# Altium PCB Copy of PCB1.PcbDoc (part 1 of 2)
Units mm, origin at the board's own origin, x right, y up, seen from the top; angles counter-clockwise.
Board outline 92 x 94 mm, 2 copper layers (Top Layer, Bottom Layer); 282 components, 201 nets, 653 pads, 133 vias.
Unrouted connection lines stored in the file: 8.
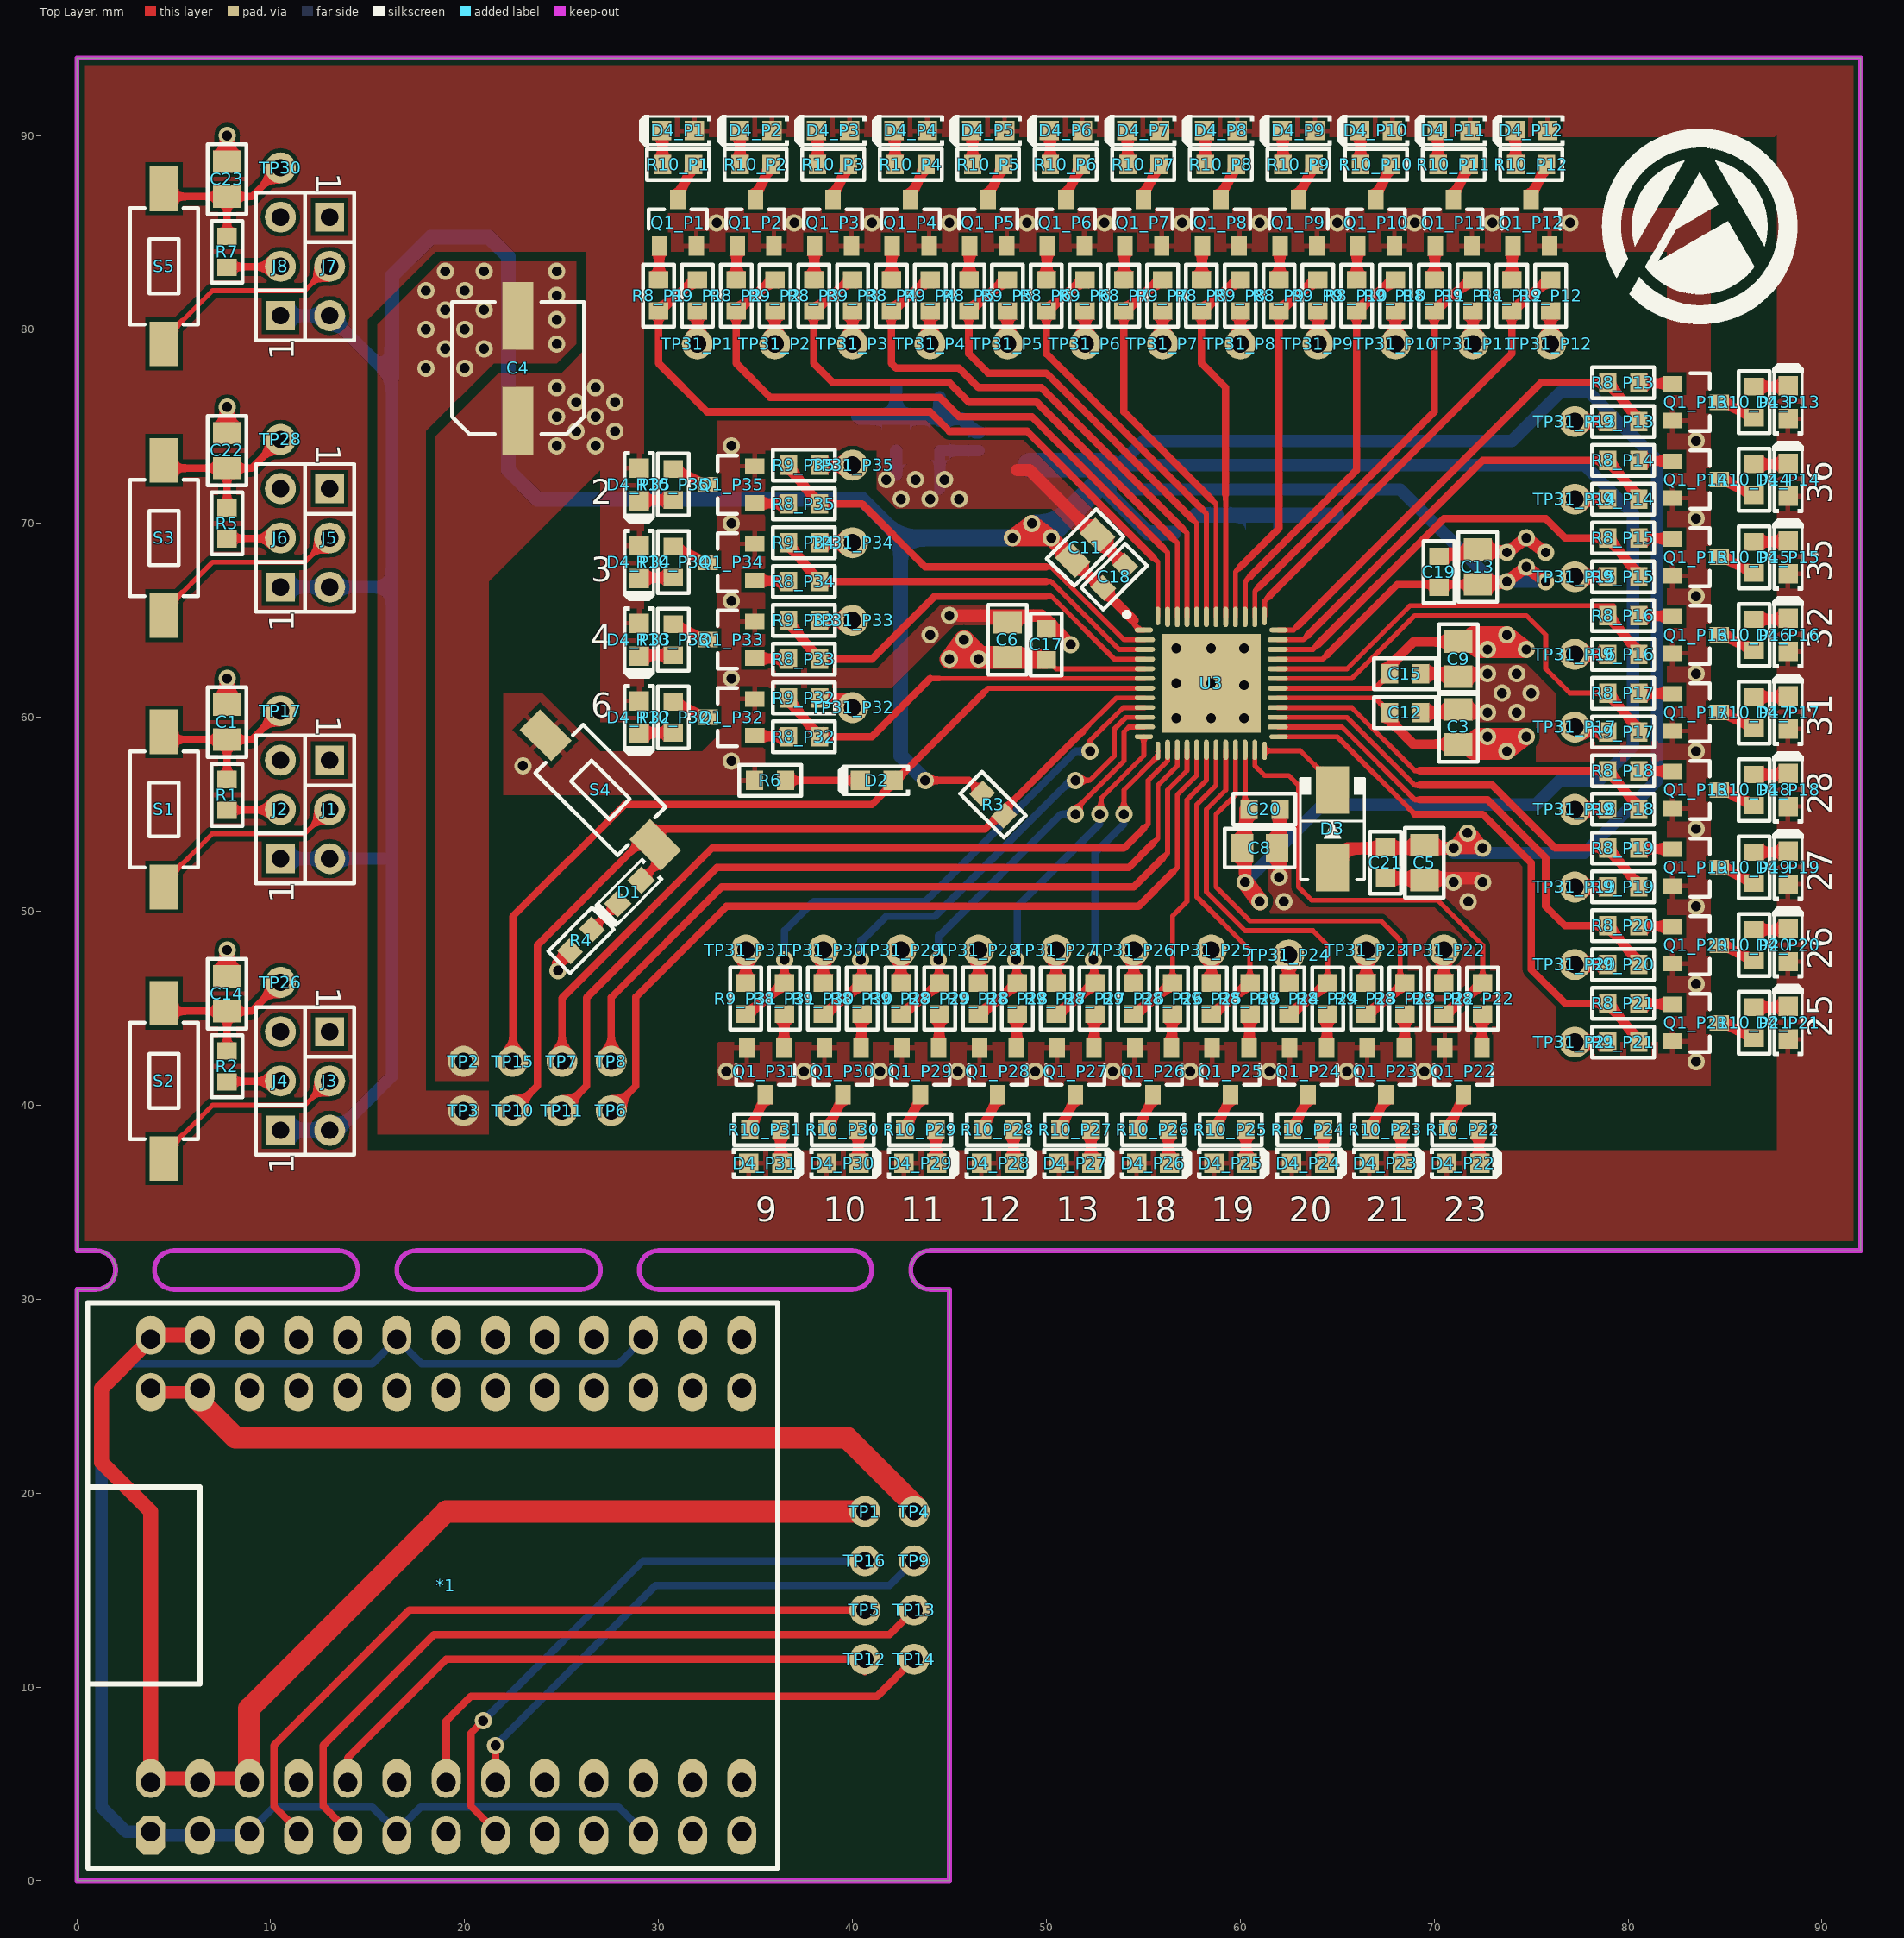
[diagram p0: Top Layer view]
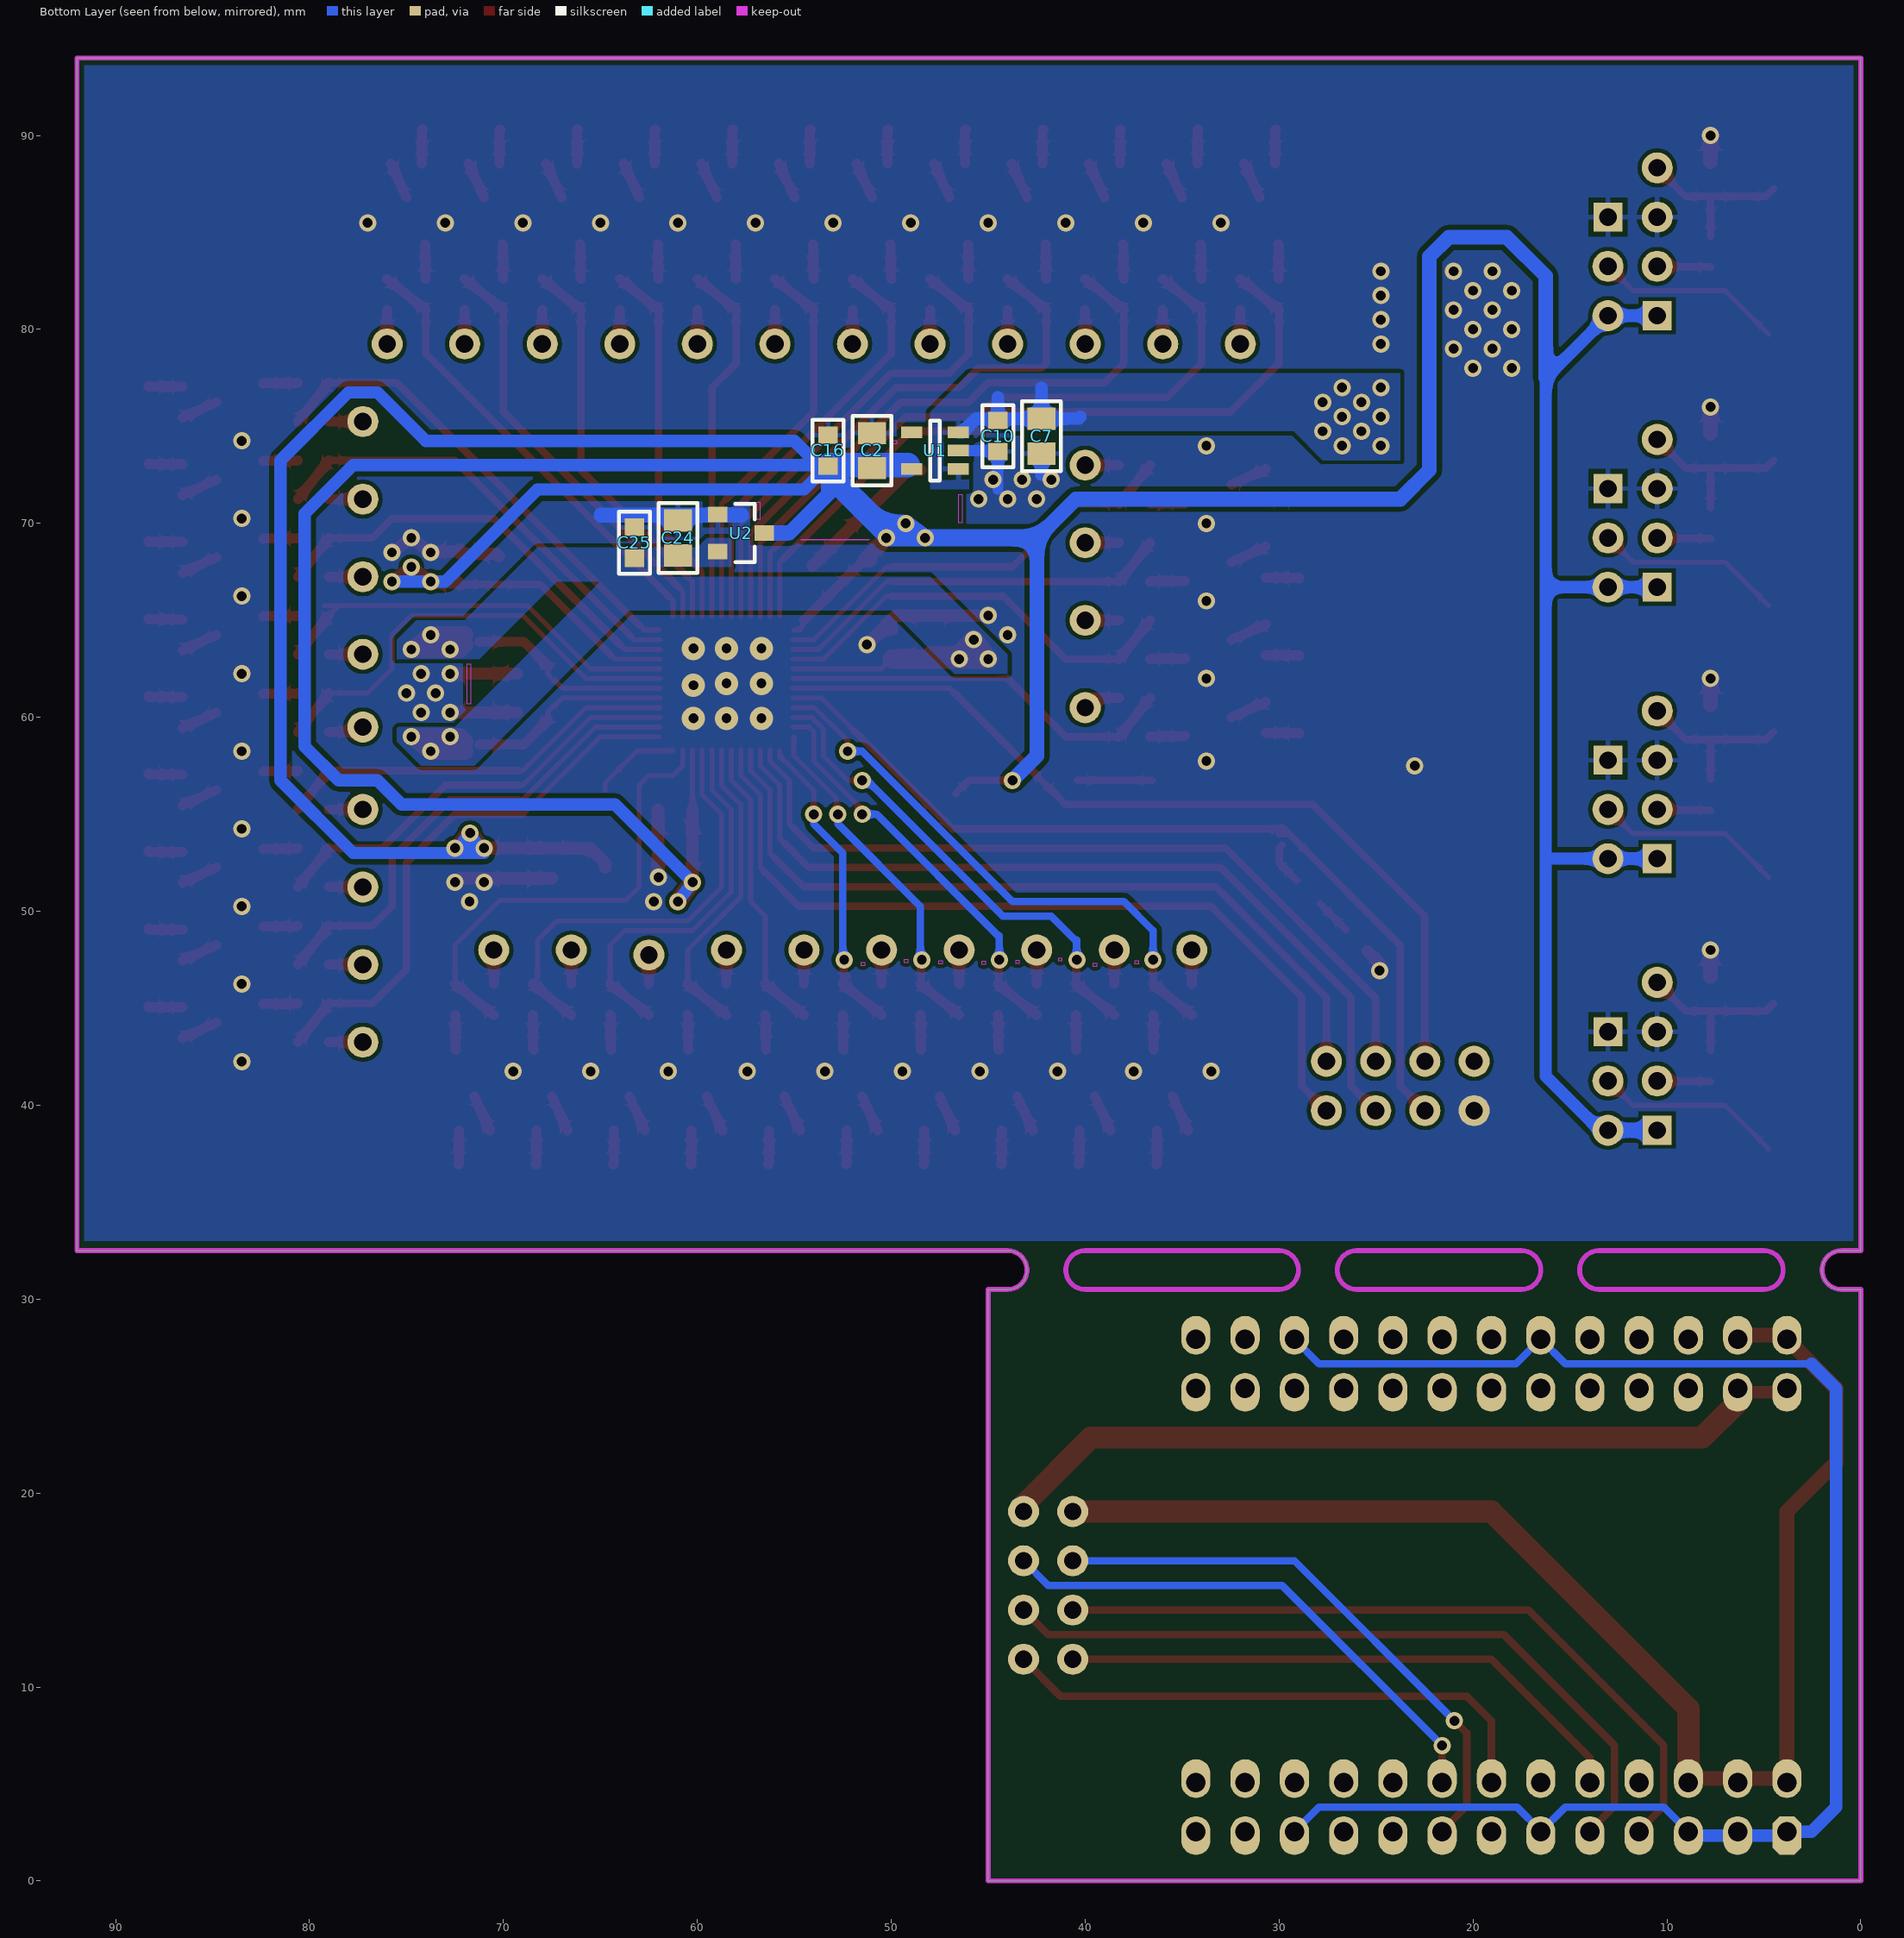
[diagram p1: Bottom Layer view, seen from below]

## Layer stack, top to bottom
Top Solder: solder mask 0.0102, Solder Resist, Dk 3.5
Top Layer: signal copper 0.0356
Dielectric 1: dielectric 0.32, FR-4, Dk 4.8
Bottom Layer: signal copper 0.0356
Bottom Solder: solder mask 0.0102, Solder Resist, Dk 3.5

## Board outline
0,0 0,30.5 1,30.5 ccw(c1,31.5) 1,32.5 0,32.5 0,94 92,94 92,32.5 44,32.5 ccw(c44,31.5) 44,30.5 45,30.5 45,0
cut-out: 19.75,31.75

## Design rules (kind name [scope] priority, off if disabled: settings)
Clearance [All] p1: gap=0.203 ignorepadtopadclearanceinfootprint=FALSE except(0.254: Track-Poly)
MinimumSolderMaskSliver [All] p1 off: minsoldermaskwidth=0.254
PlaneConnect PlaneConnect_1 [InNet('1V2')] p1: planeconnectstyle=Direct reliefexpansion=0.508 reliefentries=4 reliefconductorwidth=0.254 reliefairgap=0.254
PlaneConnect [All] p2: planeconnectstyle=Relief reliefexpansion=0.508 reliefentries=4 reliefconductorwidth=0.254 reliefairgap=0.254
PolygonConnect PolygonConnect_3 [InComponentClass('noThermal')] p1: connectstyle=Direct reliefconductorwidth=0.254 reliefentries=4 polygonreliefangle="90 Angle" airgapwidth=0.254
PolygonConnect PolygonConnect_2 [IsVia] p2: connectstyle=Direct reliefconductorwidth=0.254 reliefentries=4 polygonreliefangle="90 Angle" airgapwidth=0.254
PolygonConnect PolygonConnect_1 [InNet('1V2')] p3: connectstyle=Direct reliefconductorwidth=0.254 reliefentries=4 polygonreliefangle="90 Angle" airgapwidth=0.254
PolygonConnect [All] p4: connectstyle=Relief reliefconductorwidth=0.254 reliefentries=4 polygonreliefangle="90 Angle" airgapwidth=0.254
RoomDefinition P35 [InComponentClass('P35')] p1: confinementstyle=ConfineIn formatcopy=TRUE lockcomponents=FALSE outline 41,74 28,74 28,70 41,70
RoomDefinition P34 [InComponentClass('P34')] p2: confinementstyle=ConfineIn formatcopy=TRUE lockcomponents=FALSE outline 41,70 28,70 28,66 41,66
RoomDefinition P33 [InComponentClass('P33')] p3: confinementstyle=ConfineIn formatcopy=TRUE lockcomponents=FALSE outline 41,66 28,66 28,62 41,62
RoomDefinition P32 [InComponentClass('P32')] p4: confinementstyle=ConfineIn formatcopy=TRUE lockcomponents=FALSE outline 41,62 28,62 28,58 41,58
RoomDefinition P31 [InComponentClass('P31')] p5: confinementstyle=ConfineIn formatcopy=TRUE lockcomponents=FALSE outline 33.5,49 33.5,36 37.5,36 37.5,49
RoomDefinition P30 [InComponentClass('P30')] p6: confinementstyle=ConfineIn formatcopy=TRUE lockcomponents=FALSE outline 37.5,49 37.5,36 41.5,36 41.5,49
RoomDefinition P29 [InComponentClass('P29')] p7: confinementstyle=ConfineIn formatcopy=TRUE lockcomponents=FALSE outline 41.5,49 41.5,36 45.5,36 45.5,49
RoomDefinition P28 [InComponentClass('P28')] p8: confinementstyle=ConfineIn formatcopy=TRUE lockcomponents=FALSE outline 45.5,49 45.5,36 49.5,36 49.5,49
RoomDefinition P27 [InComponentClass('P27')] p9: confinementstyle=ConfineIn formatcopy=TRUE lockcomponents=FALSE outline 49.5,49 49.5,36 53.5,36 53.5,49
RoomDefinition P26 [InComponentClass('P26')] p10: confinementstyle=ConfineIn formatcopy=TRUE lockcomponents=FALSE outline 53.5,49 53.5,36 57.5,36 57.5,49
RoomDefinition P25 [InComponentClass('P25')] p11: confinementstyle=ConfineIn formatcopy=TRUE lockcomponents=FALSE outline 57.5,49 57.5,36 61.5,36 61.5,49
RoomDefinition P24 [InComponentClass('P24')] p12: confinementstyle=ConfineIn formatcopy=TRUE lockcomponents=FALSE outline 61.5,49 61.5,36 65.5,36 65.5,49
RoomDefinition P23 [InComponentClass('P23')] p13: confinementstyle=ConfineIn formatcopy=TRUE lockcomponents=FALSE outline 65.5,49 65.5,36 69.5,36 69.5,49
RoomDefinition P22 [InComponentClass('P22')] p14: confinementstyle=ConfineIn formatcopy=TRUE lockcomponents=FALSE outline 69.5,49 69.5,36 73.5,36 73.5,49
RoomDefinition P21 [InComponentClass('P21')] p15: confinementstyle=ConfineIn formatcopy=TRUE lockcomponents=FALSE outline 76.25,42.25 89.25,42.25 89.25,46.25 76.25,46.25
RoomDefinition P20 [InComponentClass('P20')] p16: confinementstyle=ConfineIn formatcopy=TRUE lockcomponents=FALSE outline 76.25,46.25 89.25,46.25 89.25,50.25 76.25,50.25
RoomDefinition P19 [InComponentClass('P19')] p17: confinementstyle=ConfineIn formatcopy=TRUE lockcomponents=FALSE outline 76.25,50.25 89.25,50.25 89.25,54.25 76.25,54.25
RoomDefinition P18 [InComponentClass('P18')] p18: confinementstyle=ConfineIn formatcopy=TRUE lockcomponents=FALSE outline 76.25,54.25 89.25,54.25 89.25,58.25 76.25,58.25
RoomDefinition P17 [InComponentClass('P17')] p19: confinementstyle=ConfineIn formatcopy=TRUE lockcomponents=FALSE outline 76.25,58.25 89.25,58.25 89.25,62.25 76.25,62.25
RoomDefinition P16 [InComponentClass('P16')] p20: confinementstyle=ConfineIn formatcopy=TRUE lockcomponents=FALSE outline 76.25,62.25 89.25,62.25 89.25,66.25 76.25,66.25
RoomDefinition P15 [InComponentClass('P15')] p21: confinementstyle=ConfineIn formatcopy=TRUE lockcomponents=FALSE outline 76.25,66.25 89.25,66.25 89.25,70.25 76.25,70.25
RoomDefinition P14 [InComponentClass('P14')] p22: confinementstyle=ConfineIn formatcopy=TRUE lockcomponents=FALSE outline 76.25,70.25 89.25,70.25 89.25,74.25 76.25,74.25
RoomDefinition P13 [InComponentClass('P13')] p23: confinementstyle=ConfineIn formatcopy=TRUE lockcomponents=FALSE outline 76.25,74.25 89.25,74.25 89.25,78.25 76.25,78.25
RoomDefinition P12 [InComponentClass('P12')] p24: confinementstyle=ConfineIn formatcopy=TRUE lockcomponents=FALSE outline 77,78.25 77,91.25 73,91.25 73,78.25
RoomDefinition P11 [InComponentClass('P11')] p25: confinementstyle=ConfineIn formatcopy=TRUE lockcomponents=FALSE outline 73,78.25 73,91.25 69,91.25 69,78.25
RoomDefinition P10 [InComponentClass('P10')] p26: confinementstyle=ConfineIn formatcopy=TRUE lockcomponents=FALSE outline 69,78.25 69,91.25 65,91.25 65,78.25
RoomDefinition P9 [InComponentClass('P9')] p27: confinementstyle=ConfineIn formatcopy=TRUE lockcomponents=FALSE outline 65,78.25 65,91.25 61,91.25 61,78.25
RoomDefinition P8 [InComponentClass('P8')] p28: confinementstyle=ConfineIn formatcopy=TRUE lockcomponents=FALSE outline 61,78.25 61,91.25 57,91.25 57,78.25
RoomDefinition P7 [InComponentClass('P7')] p29: confinementstyle=ConfineIn formatcopy=TRUE lockcomponents=FALSE outline 57,78.25 57,91.25 53,91.25 53,78.25
RoomDefinition P6 [InComponentClass('P6')] p30: confinementstyle=ConfineIn formatcopy=TRUE lockcomponents=FALSE outline 53,78.25 53,91.25 49,91.25 49,78.25
RoomDefinition P5 [InComponentClass('P5')] p31: confinementstyle=ConfineIn formatcopy=TRUE lockcomponents=FALSE outline 49,78.25 49,91.25 45,91.25 45,78.25
RoomDefinition P4 [InComponentClass('P4')] p32: confinementstyle=ConfineIn formatcopy=TRUE lockcomponents=FALSE outline 45,78.25 45,91.25 41,91.25 41,78.25
RoomDefinition P3 [InComponentClass('P3')] p33: confinementstyle=ConfineIn formatcopy=TRUE lockcomponents=FALSE outline 41,78.25 41,91.25 37,91.25 37,78.25
RoomDefinition P2 [InComponentClass('P2')] p34: confinementstyle=ConfineIn formatcopy=TRUE lockcomponents=FALSE outline 37,78.25 37,91.25 33,91.25 33,78.25
RoomDefinition P1 [InComponentClass('P1')] p35: confinementstyle=ConfineIn formatcopy=TRUE lockcomponents=FALSE outline 33,78.25 33,91.25 29,91.25 29,78.25
RoutingVias [All] p1: holewidth=0.711 width=1.27 viastyle="Through Hole" minholewidth=0.711 minwidth=1.27 maxholewidth=0.711 maxwidth=1.27
SilkToSolderMaskClearance [IsPad] p1 off: minsilkscreentomaskgap=0.254 clearancetoexposedcopper=TRUE
SolderMaskExpansion [All] p1: expansion=0.102
Width [All] p1: maxlimit=2.54 minlimit=0.203 preferedwidth=0.254 minimp=50.000000 maximp=50.000000 favimp=50.000000
27 further rules are at their usual default settings.

## Classes and differential pairs
component class noThermal: C4 TP2 TP3
channel class IOpin: P1 P2 P3 P4 P5 P6 P7 P8 P9 P10 P11 P12 P13 P14 P15 P16 P17 P18 P19 P20 P21 P22 P23 P24 P25 P26 P27 P28 P29 P30 P31 P32 P33 P34 P35
component class P35: D4_P35 Q1_P35 R8_P35 R9_P35 R10_P35 TP31_P35
component class P34: D4_P34 Q1_P34 R8_P34 R9_P34 R10_P34 TP31_P34
component class P33: D4_P33 Q1_P33 R8_P33 R9_P33 R10_P33 TP31_P33
component class P32: D4_P32 Q1_P32 R8_P32 R9_P32 R10_P32 TP31_P32
component class P31: D4_P31 Q1_P31 R8_P31 R9_P31 R10_P31 TP31_P31
component class P30: D4_P30 Q1_P30 R8_P30 R9_P30 R10_P30 TP31_P30
component class P29: D4_P29 Q1_P29 R8_P29 R9_P29 R10_P29 TP31_P29
component class P28: D4_P28 Q1_P28 R8_P28 R9_P28 R10_P28 TP31_P28
component class P27: D4_P27 Q1_P27 R8_P27 R9_P27 R10_P27 TP31_P27
component class P26: D4_P26 Q1_P26 R8_P26 R9_P26 R10_P26 TP31_P26
component class P25: D4_P25 Q1_P25 R8_P25 R9_P25 R10_P25 TP31_P25
component class P24: D4_P24 Q1_P24 R8_P24 R9_P24 R10_P24 TP31_P24
component class P23: D4_P23 Q1_P23 R8_P23 R9_P23 R10_P23 TP31_P23
component class P22: D4_P22 Q1_P22 R8_P22 R9_P22 R10_P22 TP31_P22
component class P21: D4_P21 Q1_P21 R8_P21 R9_P21 R10_P21 TP31_P21
component class P20: D4_P20 Q1_P20 R8_P20 R9_P20 R10_P20 TP31_P20
component class P19: D4_P19 Q1_P19 R8_P19 R9_P19 R10_P19 TP31_P19
component class P18: D4_P18 Q1_P18 R8_P18 R9_P18 R10_P18 TP31_P18
component class P17: D4_P17 Q1_P17 R8_P17 R9_P17 R10_P17 TP31_P17
component class P16: D4_P16 Q1_P16 R8_P16 R9_P16 R10_P16 TP31_P16
component class P15: D4_P15 Q1_P15 R8_P15 R9_P15 R10_P15 TP31_P15
component class P14: D4_P14 Q1_P14 R8_P14 R9_P14 R10_P14 TP31_P14
component class P13: D4_P13 Q1_P13 R8_P13 R9_P13 R10_P13 TP31_P13
component class P12: D4_P12 Q1_P12 R8_P12 R9_P12 R10_P12 TP31_P12
component class P11: D4_P11 Q1_P11 R8_P11 R9_P11 R10_P11 TP31_P11
component class P10: D4_P10 Q1_P10 R8_P10 R9_P10 R10_P10 TP31_P10
component class P9: D4_P9 Q1_P9 R8_P9 R9_P9 R10_P9 TP31_P9
component class P8: D4_P8 Q1_P8 R8_P8 R9_P8 R10_P8 TP31_P8
component class P7: D4_P7 Q1_P7 R8_P7 R9_P7 R10_P7 TP31_P7
component class P6: D4_P6 Q1_P6 R8_P6 R9_P6 R10_P6 TP31_P6
component class P5: D4_P5 Q1_P5 R8_P5 R9_P5 R10_P5 TP31_P5
component class P4: D4_P4 Q1_P4 R8_P4 R9_P4 R10_P4 TP31_P4
component class P3: D4_P3 Q1_P3 R8_P3 R9_P3 R10_P3 TP31_P3
component class P2: D4_P2 Q1_P2 R8_P2 R9_P2 R10_P2 TP31_P2
component class P1: D4_P1 Q1_P1 R8_P1 R9_P1 R10_P1 TP31_P1
component class Sheet1: *1 C1 C2 C3 C4 C5 C6 C7 C8 C9 C10 C11 C12 C13 C14 C15 C16 C17 C18 C19 C20 C21 C22 C23 C24 C25 D1 D2 D3 J1 J2 J3 J4 J5 J6 J7 J8 R1 R2 R3 R4 R5 R6 R7 S1 S2 S3 S4 S5 TP1 TP2 TP3 TP4 TP5 TP6 TP7 TP8 TP11 TP12 TP13 TP14 TP15 TP16 TP17 TP26 TP28 TP30 U1 U2 U3
